# Allegro board LAUNCHXL-CC1350-433.brd (continued)
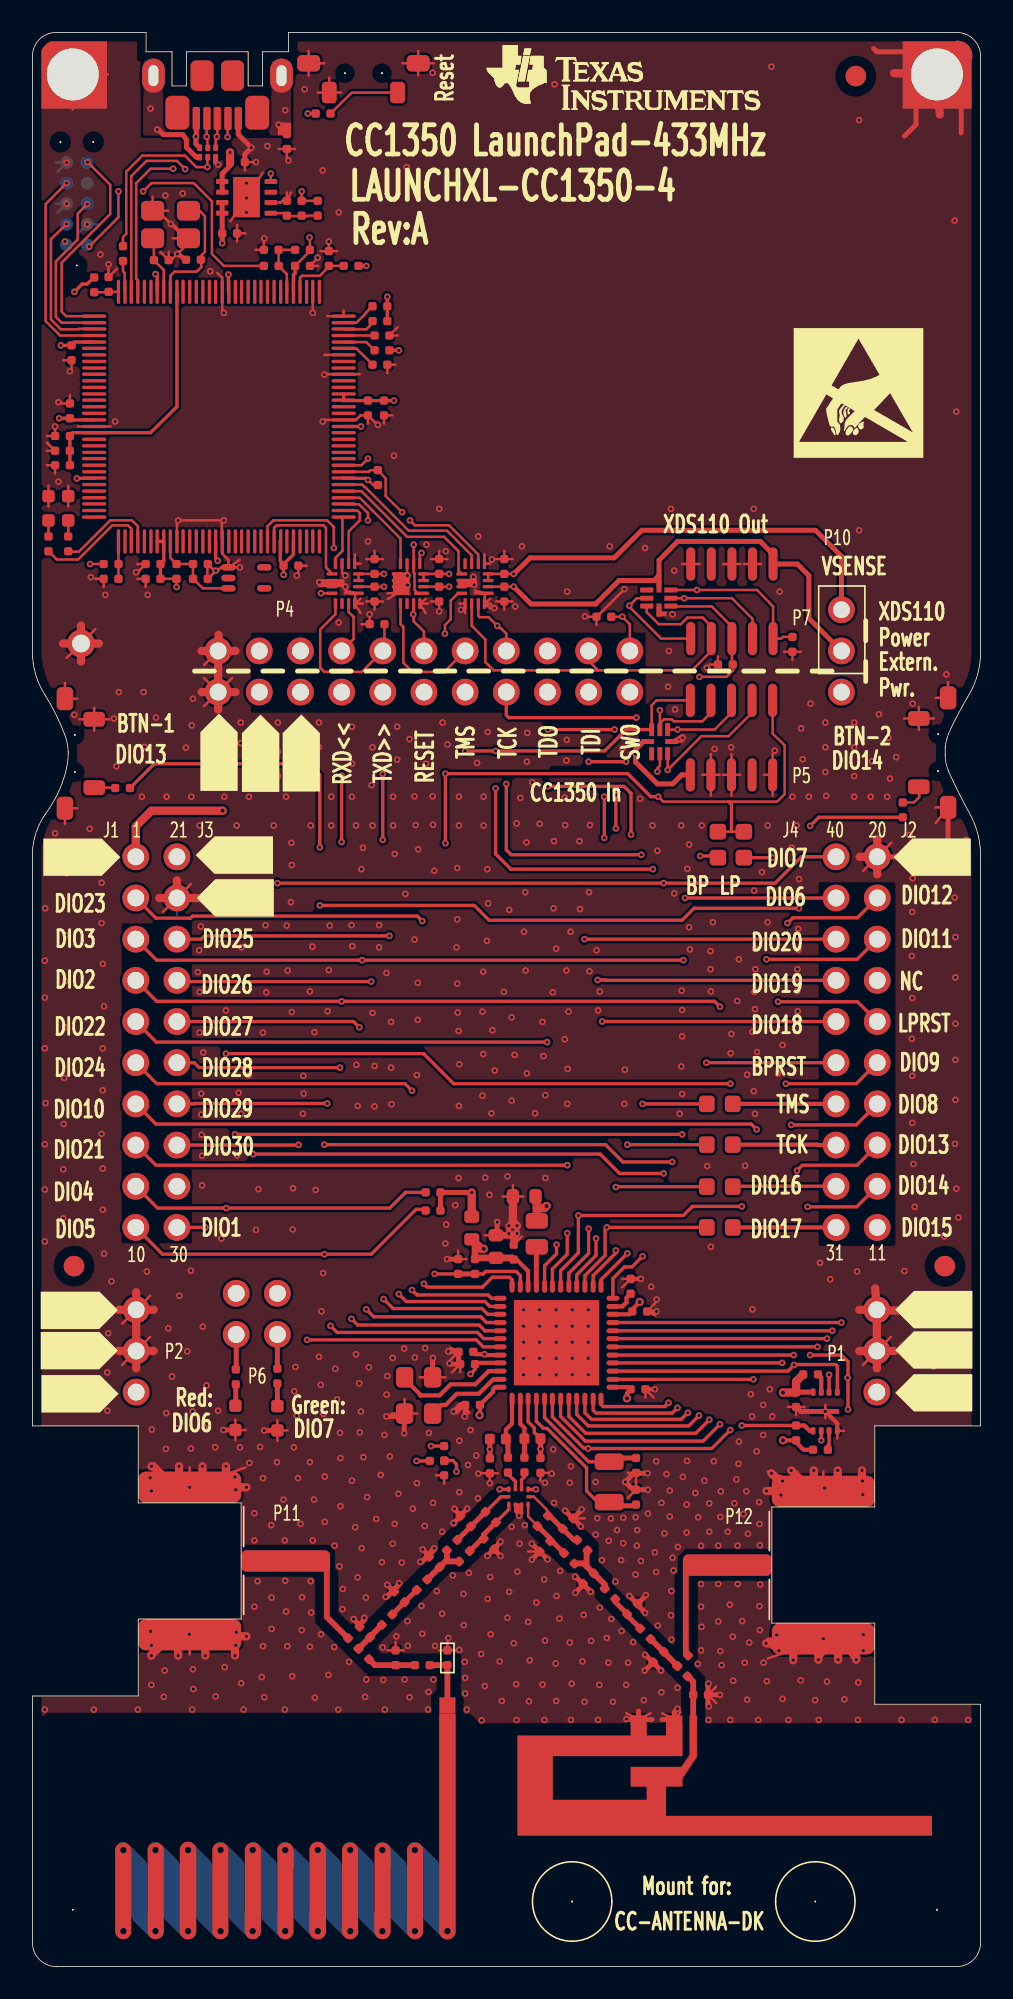
[diagram p0: board, top side]
## Nets
+5V: J1.2 P2.1 P4.20
GND: A2.2(GND_2) A2.3(GND_3) C3.2 C4.2 C5.2 C6.2 C7.2 C8.2 C9.2 C11.2 C12.2 C13.2 C14.2 C16.2 C17.2 C18.2 C19.2 C20.2 C21.1 C30.2 C32.2 C33.2 C34.2 C35.2 C36.2 C37.2 C38.2 C39.2 C40.2 C41.2 C42.2 C43.2 C44.2 C45.2 C46.2 C48.2 C49.2 C50.2 C52.2 C53.2 C54.2 C55.2 C56.2 C57.2 C58.2 C59.2 C61.2 C62.1 C65.2 C68.1 C70.2 CR1.1(C) CR2.1(C) CR4.1(C) CR5.1(C) CR6.3 CR7.4(GND) CR8.4(GND) J1.4 J2.2 J6.5(GND) L11.2 L27.2 L32.2 L33.2 MH3.1 MH4.1 MH5.1 P1.2 P1.3 P2.2 P2.3 P4.21 P4.22 P5.3 P5.5 P5.9 P7.3 P7.5 P7.9 P8.3(7) P8.5(8) P8.9(10) P11.M1 P11.M2 P12.M1 P12.M2 R21.2 R24.2 R28.1 R29.2 R32.1 R34.1 R61.1 R62.1 R63.1 R65.1 R68.1 SW1.1 SW1.2 SW1.3 SW2.1 SW2.2 SW2.4 SW3.1 SW3.2 SW3.4 U1.49(VSS) U4.4(GND) U4.9(EGP) U5.10(GNDA) U5.17(GND#17) U5.48(GND#48) U5.55(GND#55) U5.58(GND#58) U5.64(NWAKE) U5.66(XOSC0) U5.80(GND#80) U5.114(GND#114) U6.1(ANODE) U7.6(GND) U7.9(GND/TAB) U8.1(1NOE) U8.5(2DIR) U8.7(1A2) U8.10(GND#10) U8.11(GND#11) U8.16(2NOE) U9.1(1NOE) U9.5(2DIR) U9.10(GND#10) U9.11(GND#11) U9.13(2B1) U9.16(2NOE) U10.7(1A2) U10.9(2A2) U10.10(GND#10) U10.11(GND#11) U10.12(2B2) U10.16(2NOE) U11.2(GND#2) U11.3(GND#3) Y2.2 Y2.4 Y3.2(GND) Y3.4(NC_4)
VDDC: C43.1 C44.1 C45.1 U5.87(VDDC#87) U5.115(VDDC#115)
VDDR: C8.1 C9.1 C16.1 L1.2 U1.45(VDDR#45) U1.48(VDDR#48)
VDDS: C3.1 C4.1 C5.1 C6.1 C7.1 FL1.1 R1.2 R67.1 U1.13(VDDS2) U1.22(VDDS3) U1.34(VDDS_DCDC) U1.44(VDDS)
CC1350_RESET: C20.1 CR8.2(IO2) P4.12 P5.10 R1.1 R51.2 R52.1 U1.35(RESET_N)
CC1350_RXD: J1.7 P4.16 U1.7(DIO_2)
CC1350_SW_PWR: J1.16 R69.2 U1.43(DIO_30)
CC1350_SWO: J2.9 P4.2 U1.28(DIO_18)
CC1350_TCK: CR8.6(IO5) P4.8 P5.4 R47.2 U1.25(JTAG_TCKC)
CC1350_TMS: CR8.7(IO6) P4.10 P5.2 R46.2 U1.24(JTAG_TMSC)
CC1350_TXD: J1.5 P4.14 U1.8(DIO_3)
CC1350_VDD: C30.1 CR8.8(VCC) FL1.2 J1.1 P1.1 P4.18 P5.1 P10.3 R2.2 R3.2 R11.2 R59.2 R60.2 U4.8(VCC)
DCDC_SW: L1.1 U1.33(DCDC_SW)
DIO1_RF_SW: J1.20 U1.6(DIO_1) U11.6(CTL)
DIO4_SCL: J1.17 R2.1 U1.9(DIO_4)
DIO5_SDA: J1.19 R3.1 U1.10(DIO_5)
DIO6_RLED: J2.3 P6.2 U1.11(DIO_6)
DIO7_GLED: J2.1 P6.4 U1.12(DIO_7)
DIO8_MISO: J2.14 U1.14(DIO_8) U4.2(SO/SIO1)
DIO9_MOSI: J2.12 U1.15(DIO_9) U4.5(SI/SIO0)
DIO10_SCLK: J1.13 U1.16(DIO_10) U4.6(SCLK)
DIO11_CS: J2.6 U1.17(DIO_11)
DIO12: J2.4 U1.18(DIO_12)
DIO13_BTN1: J2.16 R56.2 U1.19(DIO_13)
DIO14_BTN2: J2.18 R55.2 U1.20(DIO_14)
DIO15: J2.20 U1.21(DIO_15)
DIO16_TDO: CR8.5(IO4) P4.6 P5.6 R48.2 U1.26(DIO_16)
DIO17_TDI: CR8.3(IO3) P4.4 P5.8 R49.2 U1.27(DIO_17)
DIO19_CTS: J2.7 U1.29(DIO_19)
DIO20_FLASH_CS: J2.5 R11.1 U1.30(DIO_20) U4.1(NCS)
DIO21: J1.15 U1.31(DIO_21)
DIO22: J1.9 U1.32(DIO_22)
DIO23_ANALOG: J1.3 U1.36(DIO_23)
DIO24_ANALOG: J1.11 U1.37(DIO_24)
DIO25_ANALOG: J1.6 U1.38(DIO_25)
DIO26_ANALOG: J1.8 U1.39(DIO_26)
DIO27_ANALOG: J1.10 U1.40(DIO_27)
DIO28_ANALOG: J1.12 U1.41(DIO_28)
DIO29_ANALOG: J1.14 U1.42(DIO_29)
IRSTN: P8.10(5) R20.2
ITCK: P8.4(2) U5.100(PC0/TCK/SWCLK)
ITDI: P8.8(4) U5.98(PC2/TDI)
ITDO: P8.6(3) U5.97(PC3/TDO/SWO)
ITMS: P8.2(1) U5.99(PC1/TMS/SWDIO)
LP_RESET: J2.10 R51.1
USB_DM: CR6.5 J6.2(D-) U5.93(PL7/USB0DM)
USB_DP: CR6.4 J6.3(D+) U5.94(PL6/USB0DP)
USB_ID: CR6.2 J6.4(ID) R19.2
USB_VBUS: C48.1 CR6.6 J6.1(VCC) P4.19 R22.2 R66.1 U7.1(IN#1) U7.2(IN#2) U7.8(EN)
V-SENSE: C53.1 C55.1 C57.1 CR7.8(VCC) P7.1 P10.2 U8.2(VCCB) U9.2(VCCB) U10.2(VCCB)
XDS_RESET: R58.1 U5.40(PA6) U10.1(1NOE) U10.6(1A1)
XDS_RESET_LS: CR7.2(IO2) P4.11 P7.10 R57.2 U10.15(1B1)
XDS_RX: U5.33(PA0/U0RX) U8.8(2A1)
XDS_RX_LS: P4.13 R61.2 U8.13(2B1)
XDS_SWO: U5.25(PC4/C1-) U8.9(2A2)
XDS_SWO_LS: P4.1 R62.2 U8.12(2B2)
XDS_TCK: U5.35(PA2/SSI0CLK) U9.6(1A1)
XDS_TDI: U5.38(PA5/SSI0XDAT1) U9.7(1A2)
XDS_TDI_LS: CR7.3(IO3) P4.3 P7.8 U9.14(1B2)
XDS_TDO: U5.37(PA4/SSI0XDAT0) U9.9(2A2)
XDS_TDO_LS: CR7.5(IO4) P4.5 P7.6 R63.2 U9.12(2B2)
XDS_TMS: U5.36(PA3/SSI0FSS) U10.8(2A1)
XDS_TMS_DIR: U5.24(PC5/C1+) U10.5(2DIR)
XDS_TMS_LS: CR7.7(IO6) P4.9 P7.2 R65.2 U10.13(2B1)
XDS_TX: U5.34(PA1/U0TX) U8.6(1A1)
XDS_TX_LS: P4.15 U8.15(1B1)
XDS_VCC: C35.1 C36.1 C37.1 C38.1 C39.1 C40.1 C41.1 C42.1 C47.1 C49.1 C52.1 C54.1 C56.1 P4.17 P8.1(6) P10.1 R17.2 R18.2 R27.1 R30.2 R31.2 R33.2 R39.1 R58.2 U5.7(VDD#7) U5.8(VDDA) U5.16(VDD#16) U5.26(VDD#26) U5.28(VDD#28) U5.39(VDD#39) U5.47(VDD#47) U5.51(VDD#51) U5.52(VDD#52) U5.69(VDD#69) U5.79(VDD#79) U5.90(VDD#90) U5.101(VDD#101) U5.113(VDD#113) U5.122(VDD#122) U7.3(OUT#3) U7.4(OUT#4) U8.3(VCCA) U8.4(1DIR) U9.3(VCCA) U9.4(1DIR) U10.3(VCCA) U10.4(1DIR)
N1013277: U1.46(X24M_N) Y2.3
N1013855: C11.1 L12.1 L30.2 U11.10(PORT3-)
N1013859: C22.1 L27.1 L30.1 U11.1(PORT3+)
N1013907: C12.1 C22.2 L12.2 L13.1
N1013927: C13.1 L13.2 L14.1
N1013977: A1.1(FEED/GND_1) C71.2 L33.1
N1014101: C17.1 U1.4(X32K_Q1) Y1.1
N1014113: C18.1 U1.5(X32K_Q2) Y1.2
N1018952: U1.47(X24M_P) Y2.1
N1105722: CR1.2(A) R15.1
N1105771: CR2.2(A) R14.1
N1105824: P6.1 R14.2
N1106228: P6.3 R15.2
N1176544: J2.13 R46.1
N1176548: J2.15 R47.1
N1176568: J2.17 R48.1
N1177007: J2.19 R49.1
N1240270: CR7.6(IO5) P4.7 P7.4 U9.15(1B1)
N1288065: R55.1 SW2.3
N1288098: R56.1 SW1.4
N1299607: J2.11 R52.2
N1384129: R57.1 SW3.3
N1393569: C19.1 U1.23(DCOUPL)
N1403554: C58.1 C65.1 L28.2 L29.2 U1.3(RX_TX)
N1414078: C14.1 C15.1 C69.1 L14.2
N1417883: C63.1 L28.1 U1.1(RF_P)
N1418253: C64.1 L29.1 U1.2(RF_N)
N1419138: C21.2 L21.1 L31.2 U11.4(PORT2-)
N1419146: C60.1 L11.1 L31.1 U11.5(PORT2+)
N1419182: C60.2 C61.1 L21.2 L25.1
N1419210: C62.2 L25.2 L26.1
N1419230: A2.1(FEED_1) C24.1 C59.1
N1419286: C24.2 C67.1 C68.2 L26.2
N1420906: C64.2 U11.7(PORT1+)
N1421284: R67.2 R68.2 R69.1 U11.9(VDD)
N1433060: C15.2 C71.1 L32.1
N1447877: R59.1 U4.3(NWP/SIO2)
N1447884: R60.1 U4.7(NRST/SIO3)
N1465309: C63.2 U11.8(PORT1-)
N1466589: C69.2 P11.1
N1466981: C67.2 P12.1
N1587996: R17.1 R20.1 R21.1 U5.70(NRST)
N1588002: R30.1 U5.60(PK7)
N1588004: C47.2 R33.1 R34.2 U7.5(FB)
N1588016: R28.2 U5.59(RBIAS)
N1588028: R22.1 R24.1 U5.1(PD0/AIN15)
N1588034: C34.1 U5.89(OSC1) Y3.3
N1588038: C33.1 U5.88(OSC0) Y3.1
N1588066: C32.1 C50.1 R18.1 U5.9(VREFA+) U6.3(CATHODE)
N1588110: R19.1 U5.95(PB0/USB0ID)
N1588130: R39.2 U5.63(PK4)
N1588132: R29.1 U5.61(PK6)
N1588134: R27.2 U5.62(PK5)
N1588248: C46.1 R31.1 U5.68(VBAT)
N1588328: R23.2 U5.3(PD2/AIN13)
N1588330: R25.2 U5.4(PD3/AIN12)
N1588336: CR6.1 J6.M1(SHIELD1) J6.M2(SHIELD2) R32.2
N1588554: C70.1 R66.2 U5.96(PB1/USB0VBUS)
N15894280: CR4.2(A) R23.1
N15894940: CR5.2(A) R25.1

Pads without a net: CR7 1; CR8 1; FIDU1 1; FIDU2 1; FIDU3 1; FIDU4 1; FIDU5 1; FIDU6 1; J1 18; J2 8; LBL4 1; P5 7; P7 7; P8 7; U5 2 5 6 11 12 13 14 15 18 19 20 21 22 23 27 29 30 31 32 41 42 43 44 45 46 49 50 53 54 56 57 65 67 71 72 73 74 75 76 77 78 81 82 83 84 85 86 91 92 102 103 104 105 106 107 108 109 110 111 112 116 117 118 119 120 121 123 124 125 126 127 128; U6 2 4 5; U7 7; U8 14; U9 8; U10 14

## Via types
v1: diameter 0.406, hole 0.203, TOP to BOTTOM, 1023 vias
v2: diameter 0.787, hole 0.406, TOP to BOTTOM, 21 vias
v3: diameter 0.508, hole 0.254, TOP to BOTTOM, 8 vias
v4: diameter 0.508, hole 0.203, TOP to BOTTOM, 28 vias

## Routing (per net, layer and track width the routed paths; a pad name or vN(x,y) marks a point on that pad's centre or on a via; arc(x,y) is an arc through that point)
+5V: length 54.3
  L3 w0.508: J1.2 8.92,70.23 9.09,70.41 ; P4.20 14,75.31 9.09,70.41 ; P2.1 5.18,35.43 5.16,35.41 4.39,35.41 3.43,36.37 3.43,68.53 5.36,70.46 9.04,70.46 9.09,70.41
GND: length 551.1
  TOP w0.152: 46.61,34.52 C30.2 ; C30.2 47.63,34.52 ; C30.2 47.12,34.01 ; 25.1,83.69 C55.2 24.58,84.2 ; 10.59,80.29 11.46,81.15 11.46,82.24 ; 42.29,80.83 R63.1 41.78,80.31 ; P5.3 41.86,74.79 ; P5.3 41.86,72.22 ; P5.3 42.4,73.51 ; P5.3 41.32,73.51 ; 24.11,25.65 24.47,25.29 ; 24.47,25.29 24.11,24.93 ; 24.47,25.29 24.83,25.65 ; U9.16 27.91,84.07 ; U9.16 28.25,84.37 ; U9.16 28.25,83.78 ; 27.91,84.07 28.22,84.07 v1(28.5,83.79) ; 27.91,84.07 27.91,84.61 27.99,84.68 U9.1 ; 36.73,28.9 C17.2 37.24,29.92 ; 19.3,85.78 19.1,85.98 U8.7 ; 55.73,70.53 SW2.1 55.73,71.5 ; 24.89,30.3 R68.1 25.4,29.79 ; 2.8,95 U5.114 4.82,95 ; 2.01,79.17 SW1.1 2.77,78.21 ; 13.11,110.79 C48.2 13.62,111.3 ; CR1.1 15.75,33.07 ; CR1.1 15.11,33.71 ; CR1.1 15.11,32.43 ; 4.7,104.73 C70.2 5.21,104.73 ; 19.91,84.07 19.91,84.61 U8.1 ; 19.91,84.07 20.4,84.07 ; 19.91,84.07 U8.16 ; 17.63,105.41 C38.2 17.63,104.9 ; U9.1 27.28,84.89 ; U9.1 27.28,84.71 ; 43.69,86.51 P7.5 42.62,86.51 ; C46.2 18.29,106.33 ; C46.2 18.8,105.82 ; C46.2 17.78,105.82 ; 7.27,38.84 P2.2 5.53,37.11 ; U5.10 8.92,89.13 v1(8.99,89.2) v1(11.81,89.2) 11.68,89.08 11.68,88.14 ; 39.97,15.69 A2.2 38.85,15.63 ; 25.78,38.18 C5.2 25.78,37.41 ; 19.89,87.12 U8.5 20.25,86.54 ; U6.1 12.09,86.77 11.71,87.15 U5.17 11.71,87.96 ; U6.1 v1(12.8,86.31) ; U6.1 12.79,86.77 ; U6.1 11.64,86.31 11.43,86.11 11.33,86.11 11.32,86.11 11.22,86.11 ; 0.99,91.34 CR4.1 0.99,90.07 ; 44.96,86.51 P7.3 43.89,86.51 ; R34.1 15.69,108.92 15.43,108.92 15.32,108.81 U7.6 ; R34.1 15.7,109.43 ; R34.1 15.95,109.43 ; U10.16 24.26,84.37 ; U10.16 24.26,83.49 ; U10.16 24.41,84.07 ; U8.1 19.28,84.89 ; U8.1 19.28,84.71 ; 26.04,27.44 26.4,27.8 ; 26.4,27.8 26.04,28.16 ; 26.4,27.8 26.76,28.16 ; R32.1 16.21,112.12 ; R32.1 15.7,111.61 ; R32.1 15.19,112.12 ; 54.69,76.27 SW2.4 ; SW2.4 55.6,76.99 ; SW2.4 54.69,77.7 ; SW2.4 53.77,76.99 ; 20.54,21.33 20.18,20.97 19.82,21.33 ; 6.47,85.6 C42.2 6.99,85.09 ; 9.7,30.79 v1(9.7,29.57) 13.13,30.79 ; 51.25,67.59 J2.2 52.99,69.32 ; 18.2,101.8 U5.64 19.2,102.16 ; C56.2 29.11,87.33 ; C56.2 29.62,86.82 ; C56.2 28.6,86.82 ; 12.52,32.46 CR2.1 ; CR2.1 13.16,33.1 ; CR2.1 12.52,33.73 ; SW3.4 19.03,115.6 ; SW3.4 18.31,116.51 ; SW3.4 17.6,115.6 ; 21.92,84.71 U10.12 21.92,84.35 ; 8.96,105.54 C33.2 ; C33.2 9.5,105.28 ; C33.2 8.96,105.79 ; C33.2 9.3,105.28 v1(8.94,105.64) ; 33.97,23.61 34.33,23.25 ; 33.97,23.61 33.61,23.25 ; 33.97,23.61 33.61,23.97 ; 16.41,85.9 C35.2 16.92,86.41 ; R65.1 47.4,81.1 ; R65.1 46.89,80.59 ; R65.1 46.38,81.1 ; 25.48,36.35 Y2.2 23.9,36.35 ; C49.2 13.13,106.91 ; C49.2 12.62,107.42 ; C49.2 12.62,106.4 ; 4.65,116.71 MH3.1 2.49,114.55 ; 36.4,41.91 C19.2 36.4,42.42 ; 29.82,28.06 U11.3 30,28.06 ; 2.21,90.07 CR5.1 2.21,91.34 ; 45.36,30.53 P12.M2 48.79,30.53 ; 2.41,98.57 C37.2 1.9,99.09 ; 13.76,105.89 R21.2 14.27,106.4 ; 26.95,34.14 C9.2 26.18,34.14 ; U10.7 23.11,85.93 23.09,85.9 ; Y2.4 23.75,34.11 ; Y2.4 22.96,35 ; Y2.4 22.96,33.22 ; Y2.4 22.17,34.11 ; 37.7,22.02 C62.1 36.98,22.74 ; 1.4,92.1 C45.2 0.89,92.61 ; 40.11,75.56 CR8.4 40.11,75.97 ; L32.2 22.91,19.51 ; L32.2 21.89,19.51 ; L32.2 22.4,20.02 ; 43.13,72.22 P5.5 ; P5.5 43.67,73.51 ; P5.5 43.13,74.79 ; P5.5 42.59,73.51 ; 7.42,109.17 Y3.2 8.38,108.31 ; 12.21,107.64 U7.9 14.2,110.64 ; U5.58 18.01,99.42 ; 40.08,86.51 P7.9 41.15,86.51 ; 22.53,101.12 R29.2 22.53,100.61 ; 18.2,98.22 U5.55 20.21,98.22 ; 37.24,29.94 C18.2 ; C18.2 36.73,30.45 ; C18.2 37.75,30.45 ; 9.7,19.25 P11.M2 13.13,20.47 ; C54.2 25.1,87.33 ; C54.2 24.58,86.82 ; C54.2 25.61,86.82 ; 27.89,87.12 U9.5 28.25,86.54 ; 2.01,70.48 SW1.2 2.77,71.45 ; 25.09,19.51 L33.2 ; L33.2 26.11,19.51 ; L33.2 25.6,20.02 ; 7.27,41.38 P2.3 5.53,39.65 ; C8.2 29.64,48.21 ; C8.2 29,47.5 ; C8.2 30.28,47.5 ; 20.6,86.82 C52.2 ; C52.2 21.11,87.33 ; C52.2 21.62,86.82 ; 37.82,35.1 C3.2 38.33,35.1 ; 49.66,32.56 U4.4 50.07,33.05 ; 11.81,101.98 11.71,102.08 U5.80 11.71,104.17 11.4,104.47 ; C57.2 29.62,84.2 ; C57.2 29.11,83.69 ; C57.2 28.6,84.2 ; 34.8,82.75 R62.1 ; R62.1 34.29,83.26 ; R62.1 34.82,83.26 v1(36.53,84.96) ; v1(17.3,102.01) U5.66 17.3,103.33 ; 48.92,34.65 v1(48.92,34.24) 48.92,33.83 ; 2.11,80.73 MH5.1 3.88,82.49 ; 22.83,117.4 SW3.1 ; SW3.1 24.77,117.4 ; SW3.1 23.8,118.16 ; SW3.1 23.8,116.63 ; 38.43,40.16 C4.2 38.43,40.92 ; 30.57,25.6 C21.1 30.93,25.24 ; 7.26,108.33 7.32,108.28 7.75,108.28 v1(8.53,107.49) 9.47,106.55 9.65,106.55 9.65,106.35 v1(8.94,105.64) ; 0.89,94.01 C44.2 0.89,93.5 ; 21.95,22.77 22.67,23.49 ; 2.89,76.94 SW1.3 ; SW1.3 4.73,76.94 ; SW1.3 3.81,76.22 ; SW1.3 3.81,77.65 ; 25.88,36.65 C16.2 26.39,36.65 ; 45.67,72.22 P5.9 ; P5.9 45.13,73.51 ; P5.9 45.67,74.79 ; 11.22,86.11 C32.2 10.8,86.49 10.8,85.57 C50.2 11.22,86 11.22,86.11 ; 6.47,86 C41.2 6.47,86.51 ; C34.2 8.56,105.26 v1(8.94,105.64) ; C34.2 8.41,105.77 ; C34.2 7.9,105.77 ; 20.6,84.2 C53.2 ; C53.2 21.11,83.69 ; C53.2 21.62,84.2 ; 1.8,96.42 C36.2 2.31,96.93 ; 28.22,29.92 C65.2 ; C65.2 28.73,30.43 ; C65.2 27.71,30.43 ; 20.29,82.8 R61.1 20.8,83.31 ; 28.6,45.75 C6.2 27.89,45.11 ; 38.14,15.63 A2.3 36.64,15.63 ; 8.66,107.47 Y3.4 8.66,106.6 ; 26.34,84.07 U9.13 26.7,83.49 ; 8.05,65.05 J1.4 9.78,66.78 ; 29.95,45.04 C7.2 30.2,45.04 ; 42.19,16.25 C59.2 42.19,17.27 ; 21.69,95.17 C40.2 22.2,95.68 ; 29.79,28.06 U11.2 30.15,28.06 ; 45.36,20.22 v1(48.79,20.22) 45.36,19 ; 55.8,114.55 MH4.1 53.64,116.71 ; 31.85,30.45 C58.2 31.34,29.94 ; U8.16 20.25,84.37 ; U8.16 20.25,83.49 ; C39.2 20.24,95.68 19.96,95.4 U5.48 18.06,95.4 17.93,95.28 ; C39.2 21.21,95.17 ; C39.2 20.7,95.17 ; 52.96,38.84 P1.2 51.23,37.11 ; 56.49,79.23 SW2.2 55.73,78.26 ; 21.89,98.3 R28.1 22.41,98.81 ; 0.89,94.41 C43.2 1.4,94.92 ; 28.49,25.74 28.85,25.38 ; 28.49,25.74 28.85,26.1 ; 28.49,25.74 28.13,25.38 ; 17.04,117.4 18.01,117.4 ; 17.04,117.4 17.04,118.16 ; 17.04,117.4 17.04,116.63 ; 12.32,79.48 11.51,78.66 ; 10.59,77.75 11.46,78.61 10.59,79.48 ; C68.1 38.66,18.41 ; C68.1 38.28,18.75 ; C68.1 37.94,19.13 ; 4.39,85.09 R24.2 3.88,85.6 ; 52.1,41.6 P1.3 53.18,40.51 ; 26.77,43.64 C20.2 26.26,44.15 ; 39.6,15.7 39.6,15.75 ; 34.08,27.65 L11.2 33,28.01
  TOP w0.203: 30.02,27.89 29.85,28.07 29.85,28.42 U11.2 U11.3 30.18,27.97 v1(30.02,27.81) 30.02,27.89
  TOP w0.254: C4.2 v1(38.51,40.41) ; U4.4 49.66,33.5 v1(48.92,34.24) ; C19.2 v1(37.54,42.42) ; C3.2 v1(38.4,35.61)
  TOP w0.305: v1(33.5,23.06) 33.95,23.51 ; 33.95,23.51 33.95,23.61 ; 33.95,23.51 34.05,23.51 v1(34.44,23.11) ; 33.95,23.61 33.5,24.05 ; 33.95,23.61 33.97,23.61 ; v1(11.46,111.15) 11.3,111.3 CR6.3 ; 53.8,112.9 54.51,113.61 54.51,114.71 ; v1(25.58,43.64) C20.2 ; C21.1 v1(30.81,25.1) ; C21.1 v1(31.78,25.12) ; C21.1 v1(30.81,26.09) ; v1(25.65,37.95) 25.68,37.92 C5.2 26.29,37.26 C16.2 25.78,37.16 v1(25.73,37.21) ; 42.44,16.76 v1(42.42,16.76) C59.2 ; 38.23,15.24 A2.3 ; A2.3 36.64,15.24 ; A2.3 37.39,15.75 ; v1(48.92,34.24) 47.4,34.24 C30.2 ; 22.31,23.13 v1(21.89,23.55) ; 22.31,23.13 22.33,23.11 ; 22.31,23.13 22.33,23.11 ; 24.49,25.27 24.47,25.29 ; 24.49,25.27 24.54,25.32 24.54,25.55 v1(24.79,25.81) ; 24.49,25.27 24.33,25.48 v1(24.08,25.73) ; 24.49,25.27 24.47,25.29 ; 24.49,25.27 24.31,25.27 24,24.97 v1(23.93,24.97) ; 24.49,25.27 24.47,25.29 ; 28.47,25.76 28.8,26.11 28.8,26.14 v1(28.88,26.21) ; 28.47,25.76 28.85,25.35 v1(28.88,25.32) ; 28.47,25.76 28.09,25.35 v1(28.07,25.32) ; 28.47,25.76 28.49,25.74 ; 37.85,22.89 C62.1 37.34,22.35 ; SW2.1 56.49,68.78 56.16,68.45 J2.2 ; v1(37.97,29.41) C17.2 37.06,29.41 v1(36.58,29.9) 37.11,30.43 v1(37.95,30.43) ; 20.19,21.06 20.19,21.13 20.47,21.41 v1(20.47,21.51) ; 20.19,21.06 20.19,20.96 20.18,20.97 ; 20.19,21.06 v1(19.81,21.44) ; 53.7,118.11 52.1,118.11 51.89,118.31 ; 13.11,111.33 13.11,111.79 v1(13.51,112.19) 12.7,113 J6.5 ; 41.68,17.48 C59.2 ; C59.2 41.68,16.1 ; v1(26.82,28.24) 26.42,27.84 ; 26.42,27.79 26.11,28.14 26.11,28.17 v1(26.04,28.24) ; 26.42,27.79 v1(25.98,27.36) ; 26.42,27.79 26.4,27.8 ; C6.2 28.68,45.19 v1(28.68,45.92) ; v1(22.63,23.65) 22.63,23.6 22.33,23.29 22.33,23.11 ; v1(21.84,33.93) 22.78,33.93 22.94,34.09 ; 33.88,28.17 L11.2 ; L11.2 33.34,27.65 v1(32.87,28.12) ; L11.2 33.86,27.15 ; v1(26.67,33.93) 26.7,33.96 C9.2 26.39,34.65 v1(25.98,34.24) ; 37.34,22.35 v1(36.83,22.86) ; 37.34,22.35 37.34,22.3 37.8,21.84 ; 37.77,18.24 38.28,18.75 38.3,18.75 ; 57.3,114.6 57.3,113.11 ; 38.3,18.75 38.76,18.29 ; 38.3,18.75 C68.1 38.28,18.77 37.82,19.23 ; v1(24.71,37.54) 24.69,37.52 Y2.2 ; 39.78,15.88 39.6,15.7 A2.2 38.85,15.24 ; CR2.1 v1(11.79,33.1) ; v1(21.79,22.81) 21.84,22.81 22.15,23.11 22.33,23.11 ; Y2.4 22.94,34.09 ; 22.94,34.09 v1(22.94,32.89) ; CR1.1 v1(14.3,33.07) ; 57.4,118.31 MH4.1 ; v1(29.39,45.69) v1(29.39,45.21) v1(29.9,45.21) v1(29.9,45.69) v1(29.39,45.69)
  TOP w0.406: C6.2 29.29,45.11 v1(29.39,45.21) 29.69,44.91 C7.2
  TOP w0.508: P12.M2 49.68,30.2 v1(49.68,30.61) ; P12.M2 48.77,29.34 ; P12.M2 48.11,29.31 v1(46.81,30.61) ; v1(48.49,18.92) 48.49,19.18 48.79,19.48 v1(48.79,20.22) ; 52.1,39.31 P1.2 ; P1.2 53.18,37.97 ; P1.2 52.1,36.89 ; P1.2 51.01,37.97 ; 11.46,78.61 11.46,79.7 ; 11.46,78.61 10.44,78.61 ; 11.46,78.61 11.46,77.53 ; 11.46,78.61 11.51,78.66 ; 11.46,78.61 12.54,78.61 ; P11.M2 8.59,20.47 7.34,19.23 v1(7.34,19.18) ; P11.M2 9.8,20.37 10.08,20.37 ; P11.M2 8.99,19.76 v1(8.99,19.18) ; 11.48,81.15 11.46,81.15 ; 11.48,81.15 11.48,82.14 ; 11.48,81.15 12.52,81.15 ; 11.46,81.15 11.46,79.82 ; 11.46,81.15 10.44,81.15 ; 53.16,116.79 MH4.1 55.98,114.25 ; v1(11.94,30.86) 11.94,30.25 11.25,29.57 ; MH5.1 4.1,81.61 ; MH5.1 3,82.72 ; MH5.1 3,80.5 ; MH5.1 1.89,81.61 ; P1.3 51.01,40.51 ; P1.3 51.99,41.83 ; P1.3 v1(53.87,40.44) ; P1.3 52.1,39.43 ; v1(7.34,30.86) 7.44,30.86 8.74,29.57 v1(9.7,29.57) ; v1(13.21,20.37) 10.08,20.37 ; 10.08,20.37 10.67,19.79 v1(10.67,19.18) ; v1(48.87,29.51) 48.21,30.18 v1(48.21,30.61) ; P2.3 5.32,40.51 ; P2.3 7.48,40.51 ; P2.3 6.4,41.6 ; P2.3 P2.2 ; P2.2 7.48,37.97 ; P2.2 5.32,37.97 ; P2.2 6.4,36.89 ; v1(9.04,30.86) 9.04,30.23 v1(9.7,29.57) ; J2.2 51.04,68.45 ; J2.2 52.12,67.37 ; J2.2 52.12,69.54 ; v1(50.83,18.92) 50.83,19.08 50.67,19.23 50.67,19.28 49.73,20.22 v1(48.79,20.22) ; v1(10.77,65.91) J1.4 ; J1.4 8.92,67 ; J1.4 7.83,65.91 ; v1(12.5,19.18) 12.5,19.76 v1(12.55,19.81) ; v1(51.21,29.95) 51.18,29.97 v1(51.18,30.61) ; 11.25,29.57 v1(9.7,29.57) ; 11.25,29.57 v1(13.21,29.57) ; v1(45.26,19.94) 45.57,19.94 45.67,19.84 46.18,19.84 46.38,20.02 46.46,19.94 47.47,19.94 46.94,19.41 v1(46.94,18.9) ; v1(9.7,29.57) 10.49,30.35 v1(10.49,30.86) ; v1(48.79,20.22) 49.71,19.3 v1(49.71,18.92) ; v1(29.9,45.69) 29.64,45.95 C8.2 ; v1(45.59,30.43) 46.08,29.95 v1(46.28,29.95) ; 48.67,29.44 48.77,29.34 ; 48.77,29.34 46.76,29.34 46.74,29.36 45.92,29.36 45.9,29.34 v1(45.29,29.34)
  L2 w0.152: 8.92,64.83 J1.4 ; J1.4 10,65.91 ; J1.4 7.83,65.91 ; J1.4 8.92,67 ; 5.32,40.51 P2.3 ; P2.3 7.48,40.51 ; P2.3 6.4,39.43 ; P2.3 6.4,41.6 ; P1.3 53.18,40.51 ; P1.3 51.01,40.51 ; P1.3 52.1,39.43 ; P1.3 52.1,41.6 ; 51.04,68.45 J2.2 ; J2.2 52.12,69.54 ; J2.2 52.12,67.37 ; J2.2 53.2,68.45 ; 11.46,78.61 12.54,78.61 ; 11.46,78.61 11.46,77.53 ; 11.46,78.61 11.46,79.7 ; 11.46,78.61 10.37,78.61 ; 55.8,114.55 MH4.1 53.64,116.71 ; 11.46,81.15 12.54,81.15 ; 11.46,81.15 10.37,81.15 ; 11.46,81.15 11.46,80.07 ; 11.46,81.15 11.46,82.24 ; P2.2 6.4,39.06 ; P2.2 6.4,36.89 ; P2.2 7.48,37.97 ; P2.2 5.32,37.97 ; MH5.1 4.1,81.61 ; MH5.1 3,80.5 ; MH5.1 3,82.72 ; MH5.1 1.89,81.61 ; 52.1,36.89 P1.2 ; P1.2 51.01,37.97 ; P1.2 52.1,39.06 ; P1.2 53.18,37.97 ; 2.49,114.55 MH3.1 4.65,116.71
  L2 w0.381: 35.51,39.12 34.39,40.21
  L3 w0.152: J2.2 52.12,69.54 ; J2.2 53.2,68.45 ; J2.2 52.12,67.37 ; J2.2 51.04,68.45 ; 7.83,65.91 J1.4 ; J1.4 10,65.91 ; J1.4 8.92,67 ; J1.4 8.92,64.83 ; 5.32,37.97 P2.2 ; P2.2 7.48,37.97 ; P2.2 6.4,39.06 ; P2.2 6.4,36.89 ; 4.65,116.71 MH3.1 2.49,114.55 ; 10.37,81.15 11.46,81.15 ; 11.46,81.15 12.54,81.15 ; 11.46,81.15 11.46,82.24 ; 11.46,81.15 11.46,80.07 ; 51.01,40.51 P1.3 ; P1.3 52.1,41.6 ; P1.3 52.1,39.43 ; P1.3 53.18,40.51 ; MH5.1 3,82.72 ; MH5.1 3,80.5 ; MH5.1 1.89,81.61 ; MH5.1 4.1,81.61 ; 53.64,116.71 MH4.1 55.8,114.55 ; 6.4,39.43 P2.3 ; P2.3 6.4,41.6 ; P2.3 7.48,40.51 ; P2.3 5.32,40.51 ; 52.1,36.89 P1.2 ; P1.2 52.1,39.06 ; P1.2 51.01,37.97 ; P1.2 53.18,37.97 ; 11.46,78.61 12.54,78.61 ; 11.46,78.61 10.37,78.61 ; 11.46,78.61 11.46,79.7 ; 11.46,78.61 11.46,77.53
  L3 w0.305: v1(27.51,30.4) 28.19,30.4 C65.2 v1(28.22,29.82) ; v1(31.62,29.84) 31.34,30.12 31.34,30.43 32,30.43 v1(32.03,30.4)
  BOTTOM w0.152: 11.46,78.61 11.46,79.7 ; 11.46,78.61 11.46,77.53 ; 11.46,78.61 12.54,78.61 ; 11.46,78.61 10.37,78.61 ; 7.83,65.91 J1.4 ; J1.4 8.92,67 ; J1.4 8.92,64.83 ; J1.4 10,65.91 ; 52.12,67.37 J2.2 ; J2.2 51.04,68.45 ; J2.2 53.2,68.45 ; J2.2 52.12,69.54 ; 2.49,114.55 MH3.1 4.65,116.71 ; MH5.1 3,82.72 ; MH5.1 1.89,81.61 ; MH5.1 4.1,81.61 ; MH5.1 3,80.5 ; 5.32,37.97 P2.2 ; P2.2 6.4,36.89 ; P2.2 6.4,39.06 ; P2.2 7.48,37.97 ; 55.8,114.55 MH4.1 53.64,116.71 ; 6.4,39.43 P2.3 ; P2.3 6.4,41.6 ; P2.3 7.48,40.51 ; P2.3 5.32,40.51 ; P1.3 52.1,41.6 ; P1.3 52.1,39.43 ; P1.3 53.18,40.51 ; P1.3 51.01,40.51 ; P1.2 52.1,39.06 ; P1.2 51.01,37.97 ; P1.2 53.18,37.97 ; P1.2 52.1,36.89 ; 2.82,106.91 v1(3.38,107.47) 4.03,107.47 ; 1.46,111.28 v1(2.11,111.28) 1.55,110.72 ; 11.46,81.15 11.46,82.24 ; 11.46,81.15 11.46,80.07 ; 11.46,81.15 12.54,81.15 ; 11.46,81.15 10.37,81.15 ; 1.46,108.74 v1(2.11,108.74) 1.55,108.18
  vias: v1(0.79,65.28) v1(0.76,62.05) v1(0.76,59.77) v1(0.76,56.64) v1(0.81,53.26) v1(0.76,50.72) v1(0.76,47.93) v1(0.76,44.73) v1(0.76,15.85) v1(1.4,95) v1(1.4,69.9) v1(1.5,38.91) v1(1.6,96.49) v1(1.6,91.59) v1(1.93,51.97) v1(1.91,49.17) v1(1.91,46.15) v1(2.03,60.81) v1(2.01,57.94) v1(1.96,54.81) v1(2.11,67.44) v1(2.06,63.6) v1(2.31,98.4) v1(2.49,40.79) v1(2.59,77.22) v1(3.53,70.18) v1(3.61,85.7) v1(3.78,15.85) v1(4.19,105.61) v1(4.27,66.85) v1(4.27,64.36) v1(4.34,61.85) v1(4.34,56.64) v1(4.34,54.05) v1(4.27,51.36) v1(4.34,49.23) v1(4.34,46.69) v1(4.42,59.23) v1(4.42,43.97) v1(4.5,84.61) v1(4.62,36.65) v1(4.62,34.29) v1(4.7,105) v1(4.67,39.07) v1(4.88,42.27) v1(5.03,76.99) v1(5.11,95.3) v1(5.18,74.04) v1(5.33,78.61) v1(6.4,86) v1(6.5,15.85) v1(6.76,72.16) v1(6.86,78.61) v1(6.91,75.23) v1(7.11,84.61) v1(7.06,42.88) v1(7.26,30.15) v1(7.34,29.34) v1(7.29,20.68) v1(7.34,19.81) v1(7.34,17.37) v1(7.37,33.12) v1(7.62,77.04) v1(8.1,16.64) v1(8.2,109.25) v1(8.23,31.93) v1(8.15,18.26) v1(8.28,72.16) v1(8.26,34.14) v1(8.38,39.37) v1(8.61,36.4) v1(8.92,33.2) v1(9.07,41.38) v1(9.27,109.37) v1(9.47,75.18) v1(9.55,37.95) v1(9.68,20.5) v1(9.83,76.56) v1(9.8,72.16) v1(9.78,42.93) v1(9.78,31.95) v1(9.91,78.21) v1(9.88,34.24) v1(9.91,18.34) v1(9.93,17.12) v1(9.86,15.85) v1(10.21,61.34) v1(10.31,70.38) v1(10.29,62.69) v1(10.31,60.12) v1(10.31,57.61) v1(10.39,64.16) v1(10.41,53.85) v1(10.41,52.55) v1(10.44,51.31) v1(10.54,56.39) v1(10.46,50.01) v1(10.46,48.18) v1(10.52,39.47) v1(10.62,33.25) v1(10.74,35.84) v1(10.97,104.57) v1(11.3,86.11) v1(11.28,32.03) v1(11.3,16.66) v1(11.46,34.29) v1(11.66,44.91) v1(11.81,102.01) v1(11.84,72.16) v1(11.94,58.98) v1(11.86,18.47) v1(12.5,30.2) v1(12.55,29.41) v1(12.6,70.38) v1(12.62,50.04) v1(12.57,20.62) v1(12.73,53.9) v1(12.8,32.03) v1(12.85,76.73) v1(12.85,75.46) v1(12.9,62.87) v1(12.88,52.6) v1(12.88,17.48) v1(13.03,15.85) v1(13.34,54.97) v1(13.36,72.16) v1(13.39,31.06) v1(13.69,27.97) v1(13.69,26.29) v1(13.69,22.2) v1(13.79,111.3) v1(13.79,45.44) v1(13.94,47.96) v1(13.89,23.77) v1(14.05,32.05) v1(14.15,17.86) v1(14.22,57.61) v1(14.22,30.12) v1(14.22,19.76) v1(14.3,106.6) v1(14.3,16.61) v1(14.38,64.24) v1(14.43,60.1) v1(14.5,112.29) v1(14.45,61.37) v1(14.73,27.23) v1(14.76,22.76) v1(14.76,20.83) v1(14.88,70.38) v1(15.14,76.73) v1(15.14,74.96) v1(15.14,73.43) v1(15.09,31.12) v1(15.49,28.8) v1(15.65,72.16) v1(15.57,26.29) v1(15.6,23.8) v1(15.65,21.89) v1(15.57,15.85) v1(15.7,64.21) v1(15.75,61.44) v1(15.72,19.76) v1(15.8,111.4) v1(15.98,69.32) v1(16,67.94) v1(15.95,65.66) v1(16,58.88) v1(16.03,17.91) v1(16.08,48.01) v1(16.05,45.47) v1(16.13,32.03) v1(16.23,36.98) v1(16.15,35.48) v1(16.31,85.8) v1(16.31,33.99) v1(16.38,30.12) v1(16.54,27.31) v1(16.64,22.78) v1(16.61,20.75) v1(16.71,54.94) v1(16.74,53.85) v1(16.69,52.6) v1(16.79,115.8) v1(17.12,60.15) v1(17.12,31.12) v1(17.12,19.74) v1(17.17,70.38) v1(17.17,23.77) v1(17.2,21.84) v1(17.27,62.92) v1(17.3,26.29) v1(17.4,57.63) v1(17.37,28.8) v1(17.42,16.59) v1(17.48,47.9) v1(17.6,105.41) v1(17.7,85.39) v1(17.68,76.73) v1(17.68,75.21) v1(17.68,37.62) v1(17.83,40.41) v1(17.78,35.89) v1(17.81,20.5) v1(17.91,110.79) v1(17.91,95.3) v1(17.93,42.77) v1(18.01,98.2) v1(17.96,34.09) v1(18.03,30.23) v1(18.03,27.43) v1(18.21,58.93) v1(18.29,106.4) v1(18.34,64.21) v1(18.29,61.47) v1(18.26,17.98) v1(18.44,72.16) v1(18.44,70.38) v1(18.64,25.96) v1(18.62,19.71) v1(18.69,36.88) v1(18.8,34.98) v1(18.9,108.2) v1(18.9,82.91) v1(18.95,24.69) v1(18.87,15.85) v1(18.97,32.92) v1(19,31.37) v1(19,28.4) v1(19.13,22.05) v1(19.15,23.29) v1(19.3,85.8) v1(19.3,85.12) v1(19.53,18.8) v1(19.71,76.48) v1(19.71,74.19) v1(19.71,72.16) v1(19.69,64.24) v1(19.74,62.94) v1(19.71,29.97) v1(19.91,27.1) v1(19.96,70.38) v1(19.99,55.63) v1(19.96,37.77) v1(20.07,53.09) v1(20.07,24) v1(20.17,35.97) v1(20.19,32.94) v1(20.29,67.69) v1(20.27,34.24) v1(20.32,25.81) v1(20.4,69.01) v1(20.42,31.42) v1(20.52,16.64) v1(20.65,28.96) v1(20.57,22.76) v1(20.6,17.7) v1(20.7,87.91) v1(20.8,83.41) v1(20.75,36.96) v1(20.93,72.87) v1(20.98,75.21) v1(20.98,70.38) v1(20.98,58.83) v1(21.11,55.55) v1(21.11,53.06) v1(21.21,27.61) v1(21.31,95.1) v1(21.39,64.24) v1(21.39,62.87) v1(21.49,30.33) v1(21.56,24.94) v1(21.62,19.69) v1(21.64,17.68) v1(21.72,32.79) v1(21.74,15.85) v1(21.84,61.29) v1(21.84,35.28) v1(21.89,36.42) v1(22.05,31.47) v1(22.12,58.27) v1(22.12,55.45) v1(22.15,53.19) v1(22.25,72.16) v1(22.25,70.38) v1(22.23,37.54) v1(22.23,26.09) v1(22.3,93.19) v1(22.35,68.63) v1(22.35,27.31) v1(22.5,76.48) v1(22.5,74.45) v1(22.45,20.37) v1(22.58,29.16) v1(22.78,24.92) v1(22.94,38.13) v1(23.01,66.17) v1(22.96,17.7) v1(23.09,111) v1(23.14,85.8) v1(23.14,85.22) v1(23.14,21.31) v1(23.16,19.79) v1(23.27,75.72) v1(23.27,16.61) v1(23.47,28.24) v1(23.57,72.19) v1(23.65,70.41) v1(23.57,63.35) v1(23.6,37.57) v1(23.72,54.99) v1(23.72,29.82) v1(23.8,68.91) v1(23.77,60.68) v1(23.77,58.39) v1(24,22.25) v1(24.05,20.52) v1(24.23,38.15) v1(24.21,27.18) v1(24.31,87.71) v1(24.28,74.19) v1(24.43,16.94) v1(24.41,15.85) v1(24.46,32.92) v1(24.69,116.81) v1(24.69,72.19) v1(24.71,70.43) v1(24.71,28.6) v1(24.74,17.7) v1(24.79,67.59) v1(24.84,19.79) v1(24.94,23.16) v1(25.1,89.92) v1(25.1,83.59) v1(25.3,76.73) v1(25.27,26.82) v1(25.27,21.77) v1(25.5,87.3) v1(25.53,45.77) v1(25.48,44.6) v1(25.6,75.39) v1(25.65,20.27) v1(25.93,24.13) v1(26.09,46.96) v1(26.21,67.77) v1(26.21,64.59) v1(26.16,62.87) v1(26.21,60.63) v1(26.24,58.85) v1(26.31,72.16) v1(26.31,70.38) v1(26.29,57.71) v1(26.34,55.65) v1(26.31,53.09) v1(26.29,48.64) v1(26.34,32.44) v1(26.34,29.26) v1(26.34,19.53) v1(26.44,83.69) v1(26.59,22.99) v1(26.62,21.06) v1(26.67,18.8) v1(26.7,17.81) v1(26.7,16.84) v1(26.8,15.85) v1(26.87,30.94) v1(26.92,24.28) v1(27.03,33.1) v1(27.2,85.73) v1(27.25,85.22) v1(27.43,74.24) v1(27.38,31.52) v1(27.51,88.21) v1(27.48,28.88) v1(27.69,19.28) v1(27.71,15.19) v1(27.84,72.16) v1(27.84,70.38) v1(27.81,61.37) v1(27.76,58.9) v1(27.81,56.29) v1(27.76,53.72) v1(27.94,48.67) v1(27.91,17.3) v1(28.04,63.27) v1(28.09,76.15) v1(28.07,67.69) v1(28.12,65.58) v1(28.09,22.68) v1(28.19,47.6) v1(28.24,24.03) v1(28.35,86.79) v1(28.32,52.63) v1(28.27,20.5) v1(28.37,57.76) v1(28.52,55.27) v1(28.83,18.82) v1(28.96,16.38) v1(29.08,60.12) v1(29.31,48.74) v1(29.31,21.51) v1(29.41,65.18) v1(29.41,23.11) v1(29.57,58.55) v1(29.57,53.42) v1(29.57,27.13) v1(29.74,56.24) v1(29.69,19.94) v1(29.79,83.9) v1(29.85,17.42) v1(29.87,70.51) v1(29.92,24.36) v1(29.87,15.21) v1(30.05,26.09) v1(30.1,72.09) v1(30.2,87.6) v1(30.33,63.83) v1(30.4,66.27) v1(30.43,61.44) v1(30.38,27.23) v1(30.53,76.1) v1(30.51,74.32) v1(30.48,69.34) v1(30.51,55.09) v1(30.58,21.26) v1(30.63,16.36) v1(30.68,18.9) v1(30.84,73.05) v1(31.01,52.63) v1(31.09,22.45) v1(31.29,70.48) v1(31.47,58.27) v1(31.52,56.16) v1(31.47,17.4) v1(31.65,53.75) v1(31.65,48.64) v1(31.57,23.88) v1(31.62,20.12) v1(31.6,15.21) v1(32.11,60.1) v1(32.13,31.9) v1(32.21,116.1) v1(32.18,69.42) v1(32.16,65.28) v1(32.18,28.6) v1(32.31,62.79) v1(32.33,22.86) v1(32.28,18.69) v1(32.31,16.38) v1(32.51,21.46) v1(32.56,24.41) v1(32.84,72.11) v1(32.84,57.2) v1(32.94,74.4) v1(32.87,70.41) v1(32.94,61.44) v1(32.99,84.81) v1(32.97,75.67) v1(33.02,55.37) v1(32.99,53.21) v1(33.07,58.9) v1(33.15,29.84) v1(33.15,19.99) v1(33.2,63.83) v1(33.22,30.86) v1(33.22,15.21) v1(33.27,17.45) v1(33.48,24.05) v1(33.76,69.42) v1(33.78,65.23) v1(33.83,27.15) v1(33.88,28.19) v1(33.93,18.82) v1(34.01,21.69) v1(34.09,83.29) v1(34.06,16.33) v1(34.24,72.14) v1(34.34,66.27) v1(34.39,70.41) v1(34.37,61.39) v1(34.47,20.09) v1(34.75,29.9) v1(34.75,26.64) v1(34.8,62.69) v1(34.85,27.66) v1(34.9,58.98) v1(34.9,15.21) v1(35,60.15) v1(35,22.15) v1(34.98,17.37) v1(35.13,25.07) v1(35.43,20.27) v1(35.53,18.75) v1(35.61,87.6) v1(35.56,26.26) v1(35.69,27.64) v1(35.71,21.44) v1(35.81,16.33) v1(35.97,23.75) v1(36.07,26.92) v1(36.32,25.07) v1(36.35,20.7) v1(36.4,75.13) v1(36.45,27.69) v1(36.45,26.11) v1(36.53,53.21) v1(36.55,55.32) v1(36.63,17.37) v1(36.65,15.27) v1(36.75,18.75) v1(37.06,20.02) v1(37.21,27.71) v1(37.21,24.18) v1(37.31,26.92) v1(37.29,25.96) v1(37.49,72.03) v1(37.54,25.02) v1(37.72,16.43) v1(37.8,87.5) v1(37.85,22.91) v1(37.8,21.82) v1(37.8,19.23) v1(37.77,18.26) v1(37.97,27.94) v1(38.18,41.94) v1(38.25,70.38) v1(38.4,25.55) v1(38.51,41.15) v1(38.48,31.17) v1(38.48,24.33) v1(38.56,68.83) v1(38.58,21.03) v1(38.81,28.6) v1(38.79,18.26) v1(38.81,16.92) v1(38.99,26.72) v1(39.12,30.38) v1(39.22,78.94) v1(39.27,81.15) v1(39.32,29.36) v1(39.32,27.76) v1(39.4,89.92) v1(39.42,23.16) v1(39.4,21.67) v1(39.42,20.17) v1(39.5,83.41) v1(39.5,25.22) v1(39.55,24.43) v1(39.6,86.11) v1(39.65,77.55) v1(39.6,66.19) v1(39.83,25.88) v1(39.8,17.2) v1(39.8,15.9) v1(39.93,52.6) v1(40.03,70.38) v1(40.03,55.52) v1(40.11,75.79) v1(40.06,60.2) v1(40.08,59) v1(40.08,57.38) v1(40.08,53.82) v1(40.13,30.2) v1(40.41,67.72) v1(40.39,31.19) v1(40.36,28.5) v1(40.36,26.77) v1(40.51,69.22) v1(40.51,64.11) v1(40.56,62.74) v1(40.89,29.21) v1(41.05,18.67) v1(41.07,27.71) v1(41.25,25.96) v1(41.25,23.6) v1(41.25,22.2) v1(41.25,19.51) v1(41.3,70.38) v1(41.28,20.96) v1(41.45,29.97) v1(41.61,80.11) v1(41.63,49.38) v1(41.71,17.45) v1(41.73,16.05) v1(41.71,15.21) v1(41.83,62.64) v1(41.83,61.52) v1(41.76,28.57) v1(41.76,26.82) v1(41.86,60.15) v1(41.86,44.4) v1(41.99,64.41) v1(42.04,31.17) v1(42.09,75.11) v1(42.32,25.96) v1(42.32,23.6) v1(42.32,21.29) v1(42.44,27.74) v1(42.44,19.46) v1(42.47,29.31) v1(42.52,18.59) v1(42.9,26.82) v1(43.03,22.33) v1(43.1,75.21) v1(43.13,57.53) v1(43.08,56.34) v1(43.05,15.21) v1(43.21,20.35) v1(43.23,17.63) v1(43.31,28.57) v1(43.43,30.05) v1(43.48,59.56) v1(43.51,25.96) v1(43.51,23.6) v1(43.59,62.13) v1(43.59,32.38) v1(43.56,31.01) v1(43.79,21.31) v1(43.87,27.91) v1(43.94,18.75) v1(43.97,49.4) v1(44.04,29.31) v1(44.09,55.02) v1(44.15,26.7) v1(44.09,16.46) v1(44.22,19.99) v1(44.32,35.31) v1(44.42,57.66) v1(44.42,40.54) v1(44.4,33.93) v1(44.5,89.92) v1(44.53,66.37) v1(44.5,54) v1(44.6,62.79) v1(44.6,61.52) v1(44.55,60.12) v1(44.58,59.06) v1(44.58,52.6) v1(44.7,56.41) v1(44.68,31.78) v1(44.83,28.65) v1(44.78,15.21) v1(44.86,27.31) v1(44.88,25.98) v1(44.91,23.57) v1(44.86,22.22) v1(44.88,20.75) v1(45.01,67.51) v1(45.09,34.65) v1(45.09,32.79) v1(45.11,18.75) v1(45.31,17.6) v1(45.36,70.38) v1(45.36,64.41) v1(45.49,35.61) v1(45.59,117.2) v1(45.64,33.93) v1(45.8,75.01) v1(45.92,20.45) v1(46,55.07) v1(46.05,19.48) v1(46.1,84.81) v1(46.18,29.08) v1(46.28,56.85) v1(46.28,16.51) v1(46.63,15.21) v1(46.84,69.01) v1(46.89,72.16) v1(47.14,70.38) v1(47.24,64.01) v1(47.19,61.52) v1(47.19,60.17) v1(47.22,58.93) v1(47.29,67.08) v1(47.27,62.71) v1(47.42,76.38) v1(47.4,17.65) v1(47.52,74.47) v1(47.9,72.16) v1(48.01,77.9) v1(48.29,16.43) v1(48.51,15.21) v1(48.59,43.41) v1(48.92,76.73) v1(48.92,75.21) v1(48.92,73.69) v1(48.97,72.21) v1(49.02,17.58) v1(49.23,42.39) v1(50.09,16.48) v1(50.7,76.73) v1(50.7,75.21) v1(50.7,73.43) v1(50.7,72.16) v1(50.88,42.88) v1(50.93,15.21) v1(51,113.89) v1(51,88.6) v1(50.95,17.53) v1(51.23,29.11) v1(51.26,20.47) v1(51.26,19.48) v1(51.71,72.16) v1(51.79,74.35) v1(52.22,77.24) v1(52.73,72.16) v1(52.81,75.79) v1(52.91,73.28) v1(53.29,74.6) v1(53.62,15.21) v1(53.7,38.3) v1(53.8,42.9) v1(54.1,69.8) v1(54.31,77.9) v1(54.31,67.13) v1(54.28,65.05) v1(54.25,62.33) v1(54.28,59.74) v1(54.25,57.23) v1(54.28,54.94) v1(54.28,52.04) v1(54.36,49.5) v1(54.43,46.86) v1(55.6,37.01) v1(55.68,15.21) v1(56.26,45.03) v1(56.39,79.71) v1(56.9,107.7) v1(56.9,65.94) v1(56.95,63.5) v1(56.95,61.01) v1(56.95,58.17) v1(56.95,55.93) v1(56.95,53.47) v1(56.92,50.75) v1(57,95.91) v1(57,47.98) v1(57.12,46.2) v1(57.61,69.49) v1(57.61,38.3) v1(57.73,15.21) v4(13.21,110.01) v4(13.21,109.09) v4(13.21,108.2) v4(30.3,40.51) v4(30.3,39.5) v4(30.3,38.51) v4(30.3,37.52) v4(30.3,36.5) v4(31.29,40.51) v4(31.29,39.5) v4(31.29,38.51) v4(31.29,37.52) v4(31.29,36.5) v4(32.31,40.51) v4(32.31,39.5) v4(32.31,38.51) v4(32.31,37.52) v4(32.31,36.5) v4(33.3,40.51) v4(33.3,39.5) v4(33.3,38.51) v4(33.3,37.52) v4(33.3,36.5) v4(34.29,40.51) v4(34.29,39.5) v4(34.29,38.51) v4(34.29,37.52) v4(34.29,36.5)
